# Altium PCB PCB_REV1.PcbDoc (part 2 of 2)
Units mm, origin at the board's own origin, x right, y up, seen from the top; angles counter-clockwise.
Board outline 100 x 100 mm, 2 copper layers (Top Layer, Bottom Layer); 235 components, 215 nets, 648 pads, 178 vias.
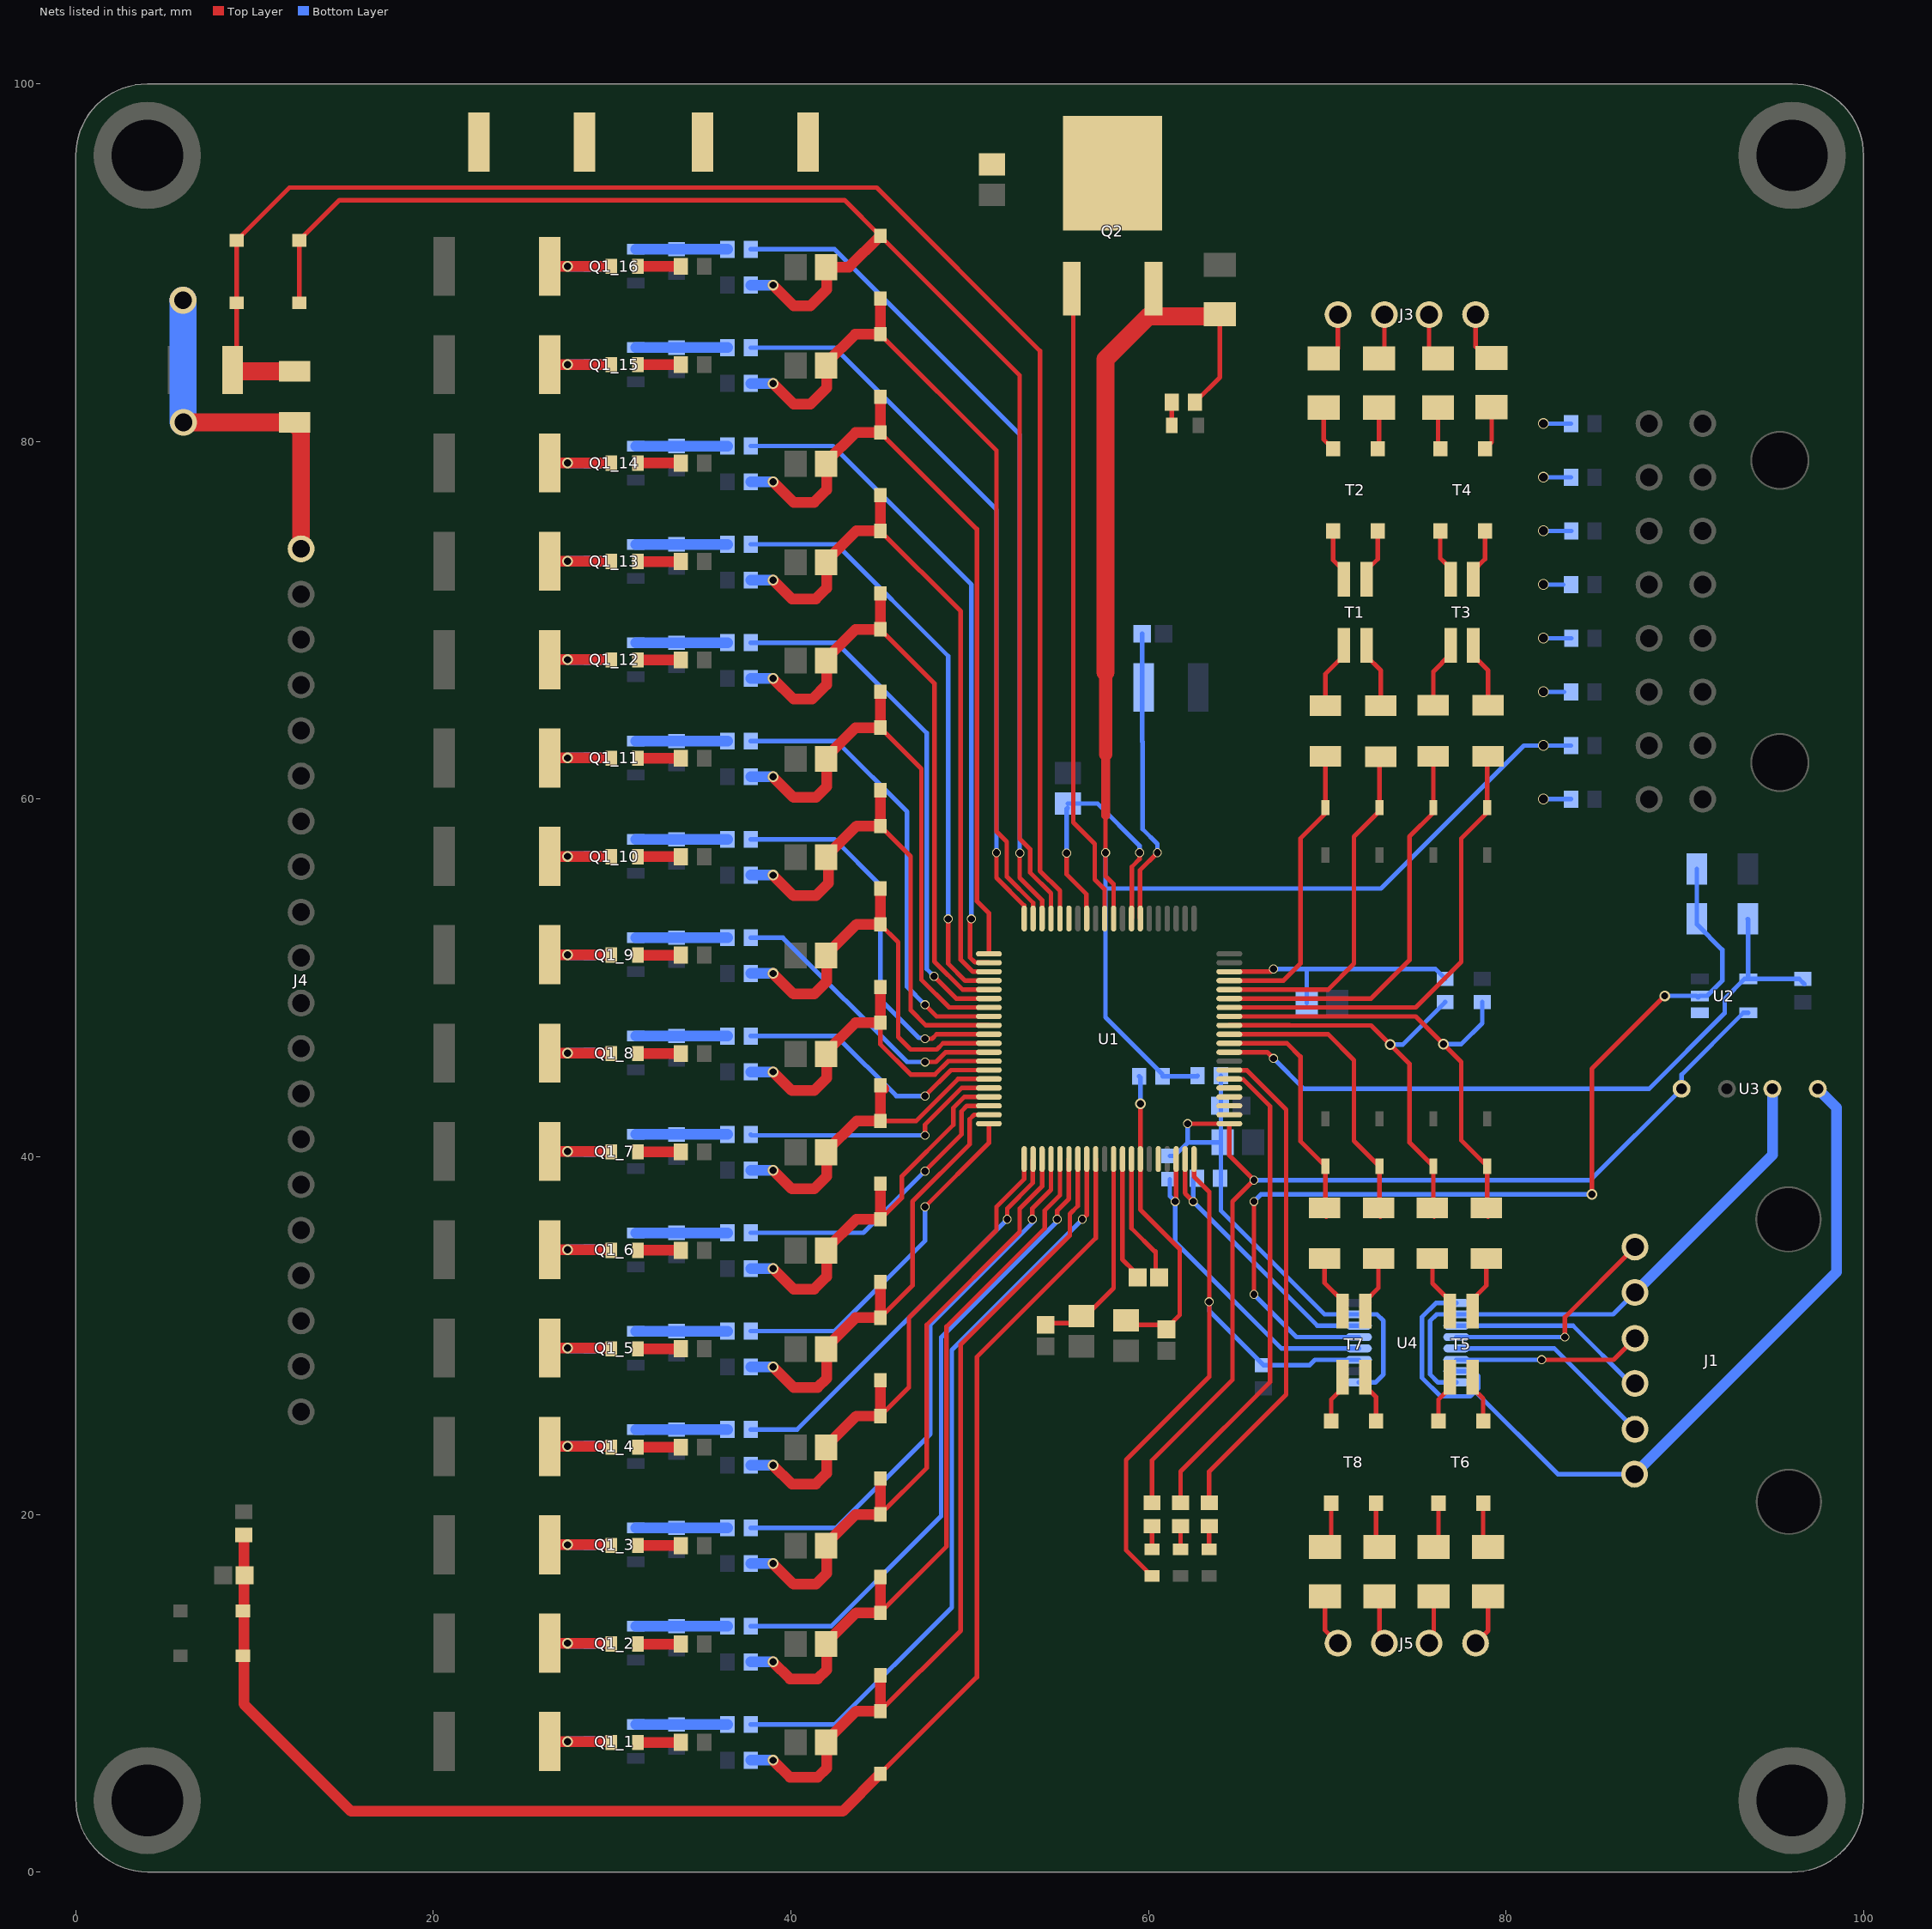
[diagram p2: the nets of this part, all layers, seen from the top]

## Via types
v1: diameter 0.6, hole 0.4, Top Layer to Bottom Layer, 69 vias
v2: diameter 0.5, hole 0.4, Top Layer to Bottom Layer, 69 vias
v3: diameter 1.5, hole 0.5, Top Layer to Bottom Layer, 17 vias
v4: diameter 0.9, hole 0.8, Top Layer to Bottom Layer, 10 vias
v5: diameter 0.6, hole 0.5, Top Layer to Bottom Layer, 8 vias
v6: diameter 1.5, hole 1, Top Layer to Bottom Layer, 3 vias
v7: diameter 0.8, hole 0.6, Top Layer to Bottom Layer, 2 vias

## Nets (pads, with @x,y where several pads share a name; then routed paths per layer and width w, separated by ;. In a path a pad name is that pad's centre, name@x,y a point inside that pad or via, vN(x,y) a via of type N, cw(c..) or ccw(c..) an arc to the next point about the centre after c; other vN are vias at no path point) (continued)
CELL8: J4.11 Q1_9.2 R1_8.2 R2_8.2 R3_8.1 R5_9.1 | length 37.2
  Top Layer w0.6: J4.11@12.6,51.14 16.31,51.14 R3_8.1@20.6,46.85 ; R3_8.1@20.6,45.8 R3_8.1@20.6,46.85 ; v1(35.15,43.45) 35.15,47.4 v1(33.6,48.95) 22.7,48.95 R3_8.1@20.6,46.85
  Bottom Layer w0.6: Q1_9.2@31.325,50.35 31.925,50.95 R5_9.1@33.6,50.95 v1(33.6,48.95) ; v1(35.15,43.45) R1_8.2@36.45,44.75
  other v3: 15,51.14
CELL8: 
CELL9: J4.12 Q1_10.2 R1_9.2 R2_9.2 R3_9.1 R5_10.1 | length 36.1
  Top Layer w0.6: J4.12@12.6,53.68 19.27,53.68 R3_9.1@20.6,52.35 ; R3_9.1@20.6,51.3 R3_9.1@20.6,52.35 ; v1(35.15,48.875) 35.15,52.9 v1(33.6,54.45) 22.7,54.45 R3_9.1@20.6,52.35
  Bottom Layer w0.6: Q1_10.2@31.325,55.85 31.925,56.45 R5_10.1@33.6,56.45 v1(33.6,54.45) ; v1(35.15,48.875) 35.15,48.95 R1_9.2@36.45,50.25
  other v3: 15,53.7
CELL9: 
CELL10: J4.13 Q1_11.2 R1_10.2 R2_10.2 R3_10.1 R5_11.1 | length 36
  Top Layer w0.6: J4.13@12.6,56.22 15.125,56.22 20.3,56.22 20.6,56.52 20.6,57.85 22.7,59.95 v1(33.6,59.95) 35.15,58.4 35.15,56.834 35.096,56.78 v1(35.096,54.396)
  Bottom Layer w0.6: Q1_11.2@31.325,61.35 31.925,61.95 R5_11.1@33.6,61.95 v1(33.6,59.95) ; v1(35.096,54.396) R1_10.2@36.45,55.75
  other v3: 15,56.2
CELL10: 
CELL11: J4.14 Q1_12.2 R1_11.2 R2_11.2 R3_11.1 R5_12.1 | length 37.5
  Top Layer w0.6: J4.14@12.6,58.76 15.125,58.76 17.315,60.95 20.3,60.95 20.6,61.25 20.6,63.35 22.7,65.45 v1(33.6,65.45) 35.15,63.9 v1(35.15,59.95)
  Bottom Layer w0.6: Q1_12.2@31.325,66.85 31.925,67.45 R5_12.1@33.6,67.45 v1(33.6,65.45) ; v1(35.15,59.95) R1_11.2@36.45,61.25
  other v3: 15,58.76
CELL11: 
CELL12: J4.15 Q1_13.2 R1_12.2 R2_12.2 R3_12.1 R5_13.1 | length 38.7
  Top Layer w0.6: J4.15@12.6,61.3 15.15,61.3 20.6,66.75 R3_12.1@20.6,67.8 20.6,68.85 22.7,70.95 v1(33.6,70.95) 35.15,69.4 R2_12.2@35.15,67.787 v1(35.15,65.45)
  Bottom Layer w0.6: Q1_13.2@31.325,72.35 31.925,72.95 R5_13.1@33.6,72.95 v1(33.6,70.95) ; v1(35.15,65.45) R1_12.2@36.45,66.75
  other v3: 15,61.3
CELL12: 
CELL13: J4.16 Q1_14.2 R1_13.2 R2_13.2 R3_13.1 R5_14.1 | length 41.7
  Top Layer w0.6: J4.16@12.6,63.84 15.125,63.84 18.7,67.415 18.7,70.35 20.6,72.25 R3_13.1@20.6,73.3 20.6,74.35 22.7,76.45 v1(33.6,76.45) 35.15,74.9 R2_13.2@35.15,73.29 v1(35.15,70.95)
  Bottom Layer w0.6: Q1_14.2@31.325,77.85 31.925,78.45 R5_14.1@33.6,78.45 v1(33.6,76.45) ; v1(35.15,70.95) R1_13.2@36.45,72.25
  other v3: 15,63.84
CELL13: 
CELL14: J4.17 Q1_15.2 R1_14.2 R2_14.2 R3_14.1 R5_15.1 | length 44.6
  Top Layer w0.6: J4.17@12.6,66.38 15.125,66.38 17.497,68.752 17.497,74.647 20.6,77.75 R3_14.1@20.6,78.8 20.6,79.85 22.7,81.95 v1(33.6,81.95) 35.15,80.4 R2_14.2@35.15,78.793 v1(35.15,76.45)
  Bottom Layer w0.6: Q1_15.2@31.325,83.35 31.925,83.95 R5_15.1@33.6,83.95 v1(33.6,81.95) ; v1(35.15,76.45) R1_14.2@36.45,77.75
  other v3: 15,66.38
CELL14: 
CELL15: J4.18 Q1_16.2 R1_15.2 R2_15.2 R3_15.1 R5_16.1 | length 47.4
  Top Layer w0.6: J4.18@12.6,68.92 v3(15,68.92) 16.4,70.32 16.4,79.05 20.6,83.25 R3_15.1@20.6,84.3 20.6,85.35 22.7,87.45 v1(33.6,87.45) 35.15,85.9 R2_15.2@35.15,84.297 ; v1(35.15,81.95) R2_15.2@35.15,84.2
  Bottom Layer w0.6: Q1_16.2@31.325,88.85 31.7,88.85 32.3,89.45 R5_16.1@33.6,89.45 v1(33.6,87.45) ; v1(35.15,81.95) R1_15.2@36.45,83.25
CELL15: 
CELL16: J4.19 R1_16.2 R2_16.2 R3_16.1 | length 44.8
  Top Layer w0.6: J4.19@12.6,71.46 15.125,71.46 15.125,83.275 20.6,88.75 R3_16.1@20.6,89.8 20.6,90.85 22.25,92.5 32.736,92.5 35.05,90.186 35.05,89.9 R2_16.2@35.15,89.8 ; v1(35.15,87.45) R2_16.2@35.15,89.75
  Bottom Layer w0.6: v1(35.15,87.45) R1_16.2@36.45,88.75
  other v3: 15,71.5
CELL16: 
CHM: C11.2 U1.33 | length 6.9
  Top Layer w0.254: U1.33@59.05,39.875 59.05,36.004 60.377,34.677 60.4,34.7 C11.2@60.4,33.6
COMMH+: 
COMMH+: D8.2 R14.1 U1.55 | length 22.9
  Top Layer w0.254: U1.55@64.525,48.85 72.45,48.85 74.6,51 74.6,57.9 D8.2@75.95,59.25 ; D8.2@75.933,59.25 D8.2@75.933,59.525 R14.1@75.933,62.4
COMMH-: 
COMMH-: D9.2 R15.1 U1.54 | length 26.1
  Top Layer w0.254: U1.54@64.525,48.35 74.95,48.35 77.5,50.9 77.5,57.8 78.95,59.25 D9.2@78.95,59.525 R15.1@78.95,62.4
COMML+: 
COMML+: D11.2 R17.1 R34.1 U1.52 | length 23.7
  Top Layer w0.254: U1.52@64.525,47.35 67.892,47.35 67.9,47.342 72.458,47.342 v1(73.529,46.271) 74.6,45.2 74.6,40.808 D11.2@75.933,39.475 75.933,37.2 R17.1@75.883,37.15 ; R17.1@75.933,36.7 R17.1@75.983,36.65
  Bottom Layer w0.254: v1(73.529,46.271) 74.221,46.271 R34.1@76.6,48.65
COMML-: 
COMML-: D10.2 R16.1 R35.1 U1.53 | length 26.7
  Top Layer w0.254: U1.53@64.525,47.85 74.95,47.85 77.5,45.3 77.5,40.925 D10.2@78.95,39.475 78.95,37.2 R16.1@78.9,37.15 ; R16.1@78.95,36.7 R16.1@79,36.65
  Bottom Layer w0.254: v1(76.5,46.3) 77.5,46.3 78.671,47.471 R35.1@78.671,48.646
EQ1: R4_1.1 U1.28 | length 42.2
  Top Layer w0.254: v2(56.3,36.5) 56.55,36.75 U1.28@56.55,39.875
  Bottom Layer w0.254: R4_1.1@37.75,8.25 42.45,8.25 49,14.8 49,29.2 v2(56.3,36.5)
EQ2: R4_2.1 U1.26 | length 36.1
  Top Layer w0.254: v2(54.9,36.5) 54.9,37 55.55,37.65 U1.26@55.55,39.875
  Bottom Layer w0.254: R4_2.1@37.75,13.75 42.25,13.75 48.4,19.9 48.4,29.9 54.9,36.4 v2(54.9,36.5)
EQ3: R4_3.1 U1.24 | length 30.4
  Top Layer w0.254: v2(53.5,36.5) 53.5,37.1 54.55,38.15 U1.24@54.55,39.875
  Bottom Layer w0.254: R4_3.1@37.75,19.25 42.55,19.25 47.8,24.5 47.8,30.6 53.6,36.4 v2@53.6,36.5
EQ4: R4_4.1 U1.22 | length 23.2
  Top Layer w0.254: v2(52.1,36.5) 52.1,37.1 53.53,38.53 53.53,39.855 U1.22@53.55,39.875
  Bottom Layer w0.254: R4_4.1@37.75,24.75 40.35,24.75 v2(52.1,36.5)
EQ5: R4_5.1 U1.20 | length 19.9
  Top Layer w0.254: v2(47.5,37.2) 51.075,40.775 U1.20@51.075,41.85
  Bottom Layer w0.254: R4_5.1@37.75,30.25 42.45,30.25 47.5,35.3 v2(47.5,37.2)
EQ6: R4_6.1 U1.18 | length 17
  Top Layer w0.254: v2(47.5,39.2) 49.543,41.243 49.543,42.543 49.85,42.85 U1.18@51.075,42.85
  Bottom Layer w0.254: R4_6.1@37.75,35.75 44.05,35.75 v2(47.5,39.2)
EQ7: R4_7.1 U1.16 | length 14.9
  Top Layer w0.254: v2(47.5,41.2) 47.5,41.793 49.557,43.85 U1.16@51.075,43.85
  Bottom Layer w0.254: R4_7.1@37.75,41.25 37.8,41.2 v2(47.5,41.2) v2@47.45,41.25
EQ8: R4_8.1 U1.14 | length 15.3
  Top Layer w0.254: v2(47.5,43.4) 48.95,44.85 U1.14@51.075,44.85
  Bottom Layer w0.254: R4_8.1@37.75,46.75 42.55,46.75 45.9,43.4 v2(47.5,43.4)
EQ9: R4_9.1 U1.12 | length 16.4
  Top Layer w0.254: v2(47.5,45.3) 48.107,45.3 48.657,45.85 U1.12@51.075,45.85
  Bottom Layer w0.254: R4_9.1@37.75,52.25 39.55,52.25 46.5,45.3 v2(47.5,45.3)
EQ10: R4_10.1 U1.10 | length 21.8
  Top Layer w0.254: v2(47.5,46.6) 47.9,46.6 48.15,46.85 U1.10@51.075,46.85
  Bottom Layer w0.254: R4_10.1@37.75,57.75 42.45,57.75 45,55.2 45,48.8 47.15,46.65 v2@47.55,46.65
EQ11: R4_11.1 U1.8 | length 25.4
  Top Layer w0.254: v2(47.5,48.5) 48.15,47.85 U1.8@51.075,47.85
  Bottom Layer w0.254: R4_11.1@37.75,63.25 42.55,63.25 46.5,59.3 46.5,49.5 v2(47.5,48.5)
EQ12: R4_12.1 U1.6 | length 29.3
  Top Layer w0.254: v2(48,50.1) 49.25,48.85 U1.6@51.075,48.85
  Bottom Layer w0.254: R4_12.1@37.75,68.75 42.55,68.75 47.6,63.7 47.6,50.5 v2(48,50.1)
EQ13: R4_13.1 U1.4 | length 33.5
  Top Layer w0.254: v2(48.8,53.3) 48.8,50.8 49.75,49.85 U1.4@51.075,49.85
  Bottom Layer w0.254: R4_13.1@37.75,74.25 42.55,74.25 48.8,68 v2(48.8,53.3)
EQ14: R4_14.1 U1.2 | length 37.6
  Top Layer w0.254: v2(50.1,53.3) 50.02,53.22 50.02,51.151 50.301,50.87 51.055,50.87 U1.2@51.075,50.85
  Bottom Layer w0.254: R4_14.1@37.75,79.75 42.35,79.75 50.1,72 v2(50.1,53.3)
EQ15: R4_15.1 U1.80 | length 41
  Top Layer w0.254: v2(51.5,57) 51.5,55.6 53.05,54.05 U1.80@53.05,53.325
  Bottom Layer w0.254: R4_15.1@37.75,85.25 42.45,85.25 51.5,76.2 v2(51.5,57)
EQ16: R4_16.1 U1.78 | length 46.9
  Top Layer w0.254: v2(52.8,56.975) 52.8,55.6 54.05,54.35 U1.78@54.05,53.325
  Bottom Layer w0.254: R4_16.1@37.75,90.75 42.45,90.75 52.8,80.4 v2(52.8,56.975)
FAULT_N: FAULT.2 R33.1 U1.40 U4.3 | length 36.5
  Top Layer w0.254: FAULT.2@60.201,16.55 58.75,18.001 58.75,23.05 63.401,27.701 v2(63.401,31.889) 63.401,38.039 62.55,38.89 U1.40@62.55,39.875
  Bottom Layer w0.254: v2(63.401,31.889) 63.401,31.375 R33.1@66.426,28.35 69.02,28.35 69.318,28.647 U4.3@71.771,28.647
FAULTH+: 
FAULTH+: D6.2 R12.1 U1.57 | length 16.6
  Top Layer w0.254: U1.57@64.525,49.85 67.55,49.85 ; 67.55,49.858 68.5,50.808 68.5,57.8 69.9,59.2 D6.2@69.9,59.525 R12.1@69.9,62.388 R12.1@69.9,62.475
FAULTH-: 
FAULTH-: D7.2 R13.1 U1.56 | length 19.7
  Top Layer w0.254: U1.56@64.525,49.35 70.05,49.35 71.5,50.8 71.5,57.9 72.917,59.317 D7.2@72.917,59.525 R13.1@72.917,62.292
FAULTL+: 
FAULTL+: D13.2 R19.1 U1.50 | length 13.4
  Top Layer w0.254: U1.50@64.525,46.35 67.75,46.35 68.5,45.6 68.5,40.875 D13.2@69.9,39.475 69.9,37.2 R19.1@69.85,37.15 ; R19.1@69.9,36.7 R19.1@69.95,36.65
FAULTL-: 
FAULTL-: D12.2 R18.1 U1.51 | length 16.9
  Top Layer w0.254: U1.51@64.525,46.85 70.05,46.85 71.5,45.4 71.5,40.892 D12.2@72.917,39.475 72.917,36.7 R18.1@72.967,36.65
FLT-IN: J1.4 U4.14 | length 10.5
  Top Layer w0.254: v2(82,28.647) 86.017,28.647 J1.4@87.215,29.845
  Bottom Layer w0.254: U4.14@77.221,28.647 v2(82,28.647)
FLT-ISO: 
GND: Balance.2 C1_1.1 C1_2.1 C1_3.1 C1_4.1 C1_5.1 C1_6.1 C1_7.1 C1_8.1 C1_9.1 C1_10.1 C1_11.1 C1_12.1 C1_13.1 C1_14.1 C1_15.1 C1_16.1 C2.1 C3.1 C4.2 C6.2 C7.2 C8.2 C9.1 C10.1 C12.2 C13.2 C22.1 C23.1 C24.1 C25.1 D4.2 D5.1 D6.1 D7.1 D8.1 D9.1 D10.1 D11.1 D12.1 D13.1 J2.9 J2.10 J2.11 J2.12 J2.13 J2.14 J2.15 J2.16 J4.1 LED5.2 pad.1 pad.3 pad.4 PWR.2 R10.2 R32.2 R33.2 R35.2 U1.30 U1.35 U1.37 U1.48 U1.69 U1.72 U1.74 U2.3 U3.3 U4.2 U4.8 | length 150.9
  Top Layer w0.254: C22.1@51.675,93.5 C22.1@51.7,93.525 ; v2(54.6,56.95) 54.6,55.972 56.05,54.522 U1.74@56.05,53.325 ; v2(56.3,56.95) 56.3,55.565 57.03,54.835 U1.72@57.03,53.345 ; v2(57,34) 57.55,34.55 U1.30@57.55,39.875 ; v4(57.5,27.5) 57.5,17.145 58.75,15.895 61.146,15.895 LED5.2@61.801,16.55 Balance.2@63.4,16.55 ; U1.69@58.53,53.345 v2(58.53,56.97) ; U1.35@60.05,39.875 60.05,37.95 v2(60.5,37.5) 61.041,38.041 61.041,38.045 61.05,38.054 U1.37@61.05,39.875 ; PWR.2@62.8,80.9 66.1,84.2 66.1,88.1 64.325,89.875 C23.1@64,89.875 ; U1.48@64.525,45.35 66.15,45.35 v2(67,44.5) ; D13.1@69.9,42.125 v2(69.9,44.5) ; v2(69.9,54) D6.1@69.9,56.775 ; D12.1@72.917,42.125 v2(72.917,44.5) ; v2(72.917,54) D7.1@72.917,56.875 ; D11.1@75.933,42.125 v2(75.933,44.5) ; v2(75.933,54) D8.1@75.933,56.875 ; D10.1@78.95,42.125 v2(78.95,44.5) ; v2(78.95,54.2) D9.1@78.95,56.875
  Top Layer w0.6: v2(39,9.5) 39,8.525 C1_1.1@40.275,7.25 ; v2(39,15) 39,14.025 C1_2.1@40.275,12.75 ; v2(39,20.5) 39,19.525 C1_3.1@40.275,18.25 ; v2(39,26) 39,25.025 C1_4.1@40.275,23.75 ; v2(39,31.5) 39,30.525 C1_5.1@40.275,29.25 ; v2(39,37) 39,36.025 C1_6.1@40.275,34.75 ; v2(39,42.5) 39,41.525 C1_7.1@40.275,40.25 ; v2(39,48) 39,47.025 C1_8.1@40.275,45.75 ; v2(39,53.5) 39,52.525 C1_9.1@40.275,51.25 ; v2(39,59) 39,58.025 C1_10.1@40.275,56.75 ; v2(39,64.5) 39,63.525 C1_11.1@40.275,62.25 ; v2(39,70) 39,69.025 C1_12.1@40.275,67.75 ; v2(39,75.5) 39,74.525 C1_13.1@40.275,73.25 ; v2(39,81) 39,80.025 C1_14.1@40.275,78.75 ; v2(39,86.5) 39,85.525 C1_15.1@40.275,84.25 ; v2(39,92) 39,91.45 C1_16.1@40.275,90.175
  Top Layer w1: v7(48.5,93.1) 51.5,93.1 ; C23.1@64,89.875 v7(64,93.6) ; v4(80.9,57) v4(83.3,54.6)
  Top Layer w2: v6(3,84) C2.1@5.3,84
  Bottom Layer w0.254: R33.2@66.426,27.05 69.718,27.05 ; U4.2@71.771,28.012 70.68,28.012 69.718,27.05 ; U4.8@71.771,31.822 72.858,31.822 73.6,31.08 73.6,27.645 72.735,26.78 69.988,26.78 69.718,27.05
  Bottom Layer w0.5: v2(56.3,56.95) 56.3,57.5 56.8,58 58,58 58.53,57.47 v2(58.53,56.97)
  other v4: 4.4,13.3 4.5,16.4 6.2,16.4 54.5,27.5 56.027,27.5 59,27.5 60.5,27.5
GND: 
ISO_GND: J1.1 U3.1 U4.9 U4.15 | length 49.1
  Bottom Layer w0.254: U4.15@77.141,28.093 U4.15@77.221,28.012 78.17,28.012 78.458,27.724 78.458,27.058 78.276,26.876 ; U4.9@77.221,31.822 76.081,31.822 75.3,31.041 75.3,27.637 76.337,26.6 78,26.6 78.276,26.876 ; J1.1@87.189,22.251 82.901,22.251 78.276,26.876
  Bottom Layer w0.6: J1.1@87.189,22.251 98.5,33.561 98.5,42.74 U3.1@97.44,43.8
J3COMMH+: C16.2 J3.2 | length 2.7
  Top Layer w0.254: J3.2@75.7,87.1 75.7,85.15 C16.2@76.2,84.65
J3COMMH-: C17.2 J3.1 | length 3
  Top Layer w0.254: J3.1@78.3,87.1 78.3,85.3 78.925,84.675 C17.2@79.2,84.675
J3FAULTH+: C14.2 J3.4 | length 2.9
  Top Layer w0.254: C14.2@69.8,84.65 70.05,84.65 70.6,85.2 J3.4@70.6,87.1
J3FAULTH-: C15.2 J3.3 | length 2.6
  Top Layer w0.254: C15.2@72.9,84.65 73.2,84.95 J3.3@73.2,87.1
J5COMML+: C19.2 J5.3 | length 2.7
  Top Layer w0.254: J5.3@75.7,12.8 75.958,13.058 C19.2@75.958,15.425
J5COMML-: C18.2 J5.4 | length 2.9
  Top Layer w0.254: J5.4@78.3,12.8 79,13.5 C18.2@79,15.425
J5FAULTL+: C21.2 J5.1 | length 2.9
  Top Layer w0.254: C21.2@69.875,15.425 69.875,13.525 J5.1@70.6,12.8
J5FAULTL-: C20.2 J5.2 | length 2.7
  Top Layer w0.254: C20.2@72.917,15.425 72.917,13.083 J5.2@73.2,12.8
NetC8_1: C8.1 R34.2 U1.58 | length 14.3
  Top Layer w0.254: U1.58@64.525,50.35 66.85,50.35 v2(67,50.5)
  Bottom Layer w0.254: v2(67,50.5) 68.8,50.5 ; C8.1@68.85,48.6 68.85,50.45 68.8,50.5 ; R34.2@76.6,49.95 76.05,50.5 68.8,50.5
NetC11_1: C11.1 U1.32 | length 6.6
  Top Layer w0.254: U1.32@58.55,39.875 58.55,36.45 58.54,36.44 58.54,34.26 C11.1@59.2,33.6
NetC14_1: C14.1 T2.4 | length 2.5
  Top Layer w0.254: C14.1@69.8,81.9 69.8,80.125 T2.4@70.325,79.6
NetC15_1: C15.1 T2.3 | length 2.3
  Top Layer w0.254: T2.3@72.825,79.6 72.9,79.675 C15.1@72.9,81.9
NetC16_1: C16.1 T4.4 | length 2.4
  Top Layer w0.254: C16.1@76.2,81.9 76.2,79.725 T4.4@76.325,79.6
NetC17_1: C17.1 T4.3 | length 2.5
  Top Layer w0.254: T4.3@78.825,79.6 79.2,79.975 C17.1@79.2,81.925
NetC18_1: C18.1 T6.4 | length 2.6
  Top Layer w0.254: T6.4@78.725,20.625 78.725,18.45 C18.1@79,18.175
NetC19_1: C19.1 T6.3 | length 2.6
  Top Layer w0.254: C19.1@75.958,18.175 76.225,18.442 T6.3@76.225,20.625
NetC20_1: C20.1 T8.4 | length 2.5
  Top Layer w0.254: T8.4@72.725,20.625 72.725,18.367 C20.1@72.917,18.175
NetC21_1: C21.1 T8.3 | length 2.6
  Top Layer w0.254: C21.1@69.875,18.175 70.225,18.525 T8.3@70.225,20.625
NetLED1_1_1: LED1_1.1 R2_1.1 | length 2.4
  Top Layer w0.6: LED1_1.1@31.45,7.25 R2_1.1@33.85,7.25
NetLED1_1_2: LED1_1.2 Q1_1.3 R3_1.2 | length 4.9
  Top Layer w0.6: R3_1.2@26.5,7.3 29.925,7.3 29.95,7.275 LED1_1.2@29.95,7.25
  Bottom Layer w0.6: v1(27.5,7.3) Q1_1.3@28.925,7.3
NetLED1_2_1: LED1_2.1 R2_2.1 | length 2.4
  Top Layer w0.6: LED1_2.1@31.45,12.753 R2_2.1@33.85,12.753
NetLED1_2_2: LED1_2.2 Q1_2.3 R3_2.2 | length 4.9
  Top Layer w0.6: R3_2.2@26.5,12.8 29.925,12.8 29.95,12.775 LED1_2.2@29.95,12.75
  Bottom Layer w0.6: v1(27.5,12.8) Q1_2.3@28.925,12.8
NetLED1_3_1: LED1_3.1 R2_3.1 | length 2.4
  Top Layer w0.6: LED1_3.1@31.45,18.257 R2_3.1@33.85,18.257
NetLED1_3_2: LED1_3.2 Q1_3.3 R3_3.2 | length 4.9
  Top Layer w0.6: R3_3.2@26.5,18.3 29.925,18.3 29.95,18.275 LED1_3.2@29.95,18.25
  Bottom Layer w0.6: v1(27.5,18.3) Q1_3.3@28.925,18.3
NetLED1_4_1: LED1_4.1 R2_4.1 | length 2.4
  Top Layer w0.6: LED1_4.1@31.45,23.76 R2_4.1@33.85,23.76
NetLED1_4_2: LED1_4.2 Q1_4.3 R3_4.2 | length 4.9
  Top Layer w0.6: R3_4.2@26.5,23.8 29.925,23.8 29.95,23.775 LED1_4.2@29.95,23.75
  Bottom Layer w0.6: v1(27.5,23.8) Q1_4.3@28.925,23.8
NetLED1_5_1: LED1_5.1 R2_5.1 | length 2.4
  Top Layer w0.6: LED1_5.1@31.45,29.263 R2_5.1@33.85,29.263
NetLED1_5_2: LED1_5.2 Q1_5.3 R3_5.2 | length 4.9
  Top Layer w0.6: R3_5.2@26.5,29.3 29.925,29.3 29.95,29.275 LED1_5.2@29.95,29.25
  Bottom Layer w0.6: v1(27.5,29.3) Q1_5.3@28.925,29.3
NetLED1_6_1: LED1_6.1 R2_6.1 | length 2.4
  Top Layer w0.6: LED1_6.1@31.45,34.767 R2_6.1@33.85,34.767
NetLED1_6_2: LED1_6.2 Q1_6.3 R3_6.2 | length 4.9
  Top Layer w0.6: R3_6.2@26.5,34.8 29.925,34.8 29.95,34.775 LED1_6.2@29.95,34.75
  Bottom Layer w0.6: v1(27.5,34.8) Q1_6.3@28.925,34.8
NetLED1_7_1: LED1_7.1 R2_7.1 | length 2.4
  Top Layer w0.6: LED1_7.1@31.45,40.27 R2_7.1@33.85,40.27
NetLED1_7_2: LED1_7.2 Q1_7.3 R3_7.2 | length 4.9
  Top Layer w0.6: R3_7.2@26.5,40.3 29.925,40.3 29.95,40.275 LED1_7.2@29.95,40.225